# KiCad board main - copyOK.kicad_pcb (continued)
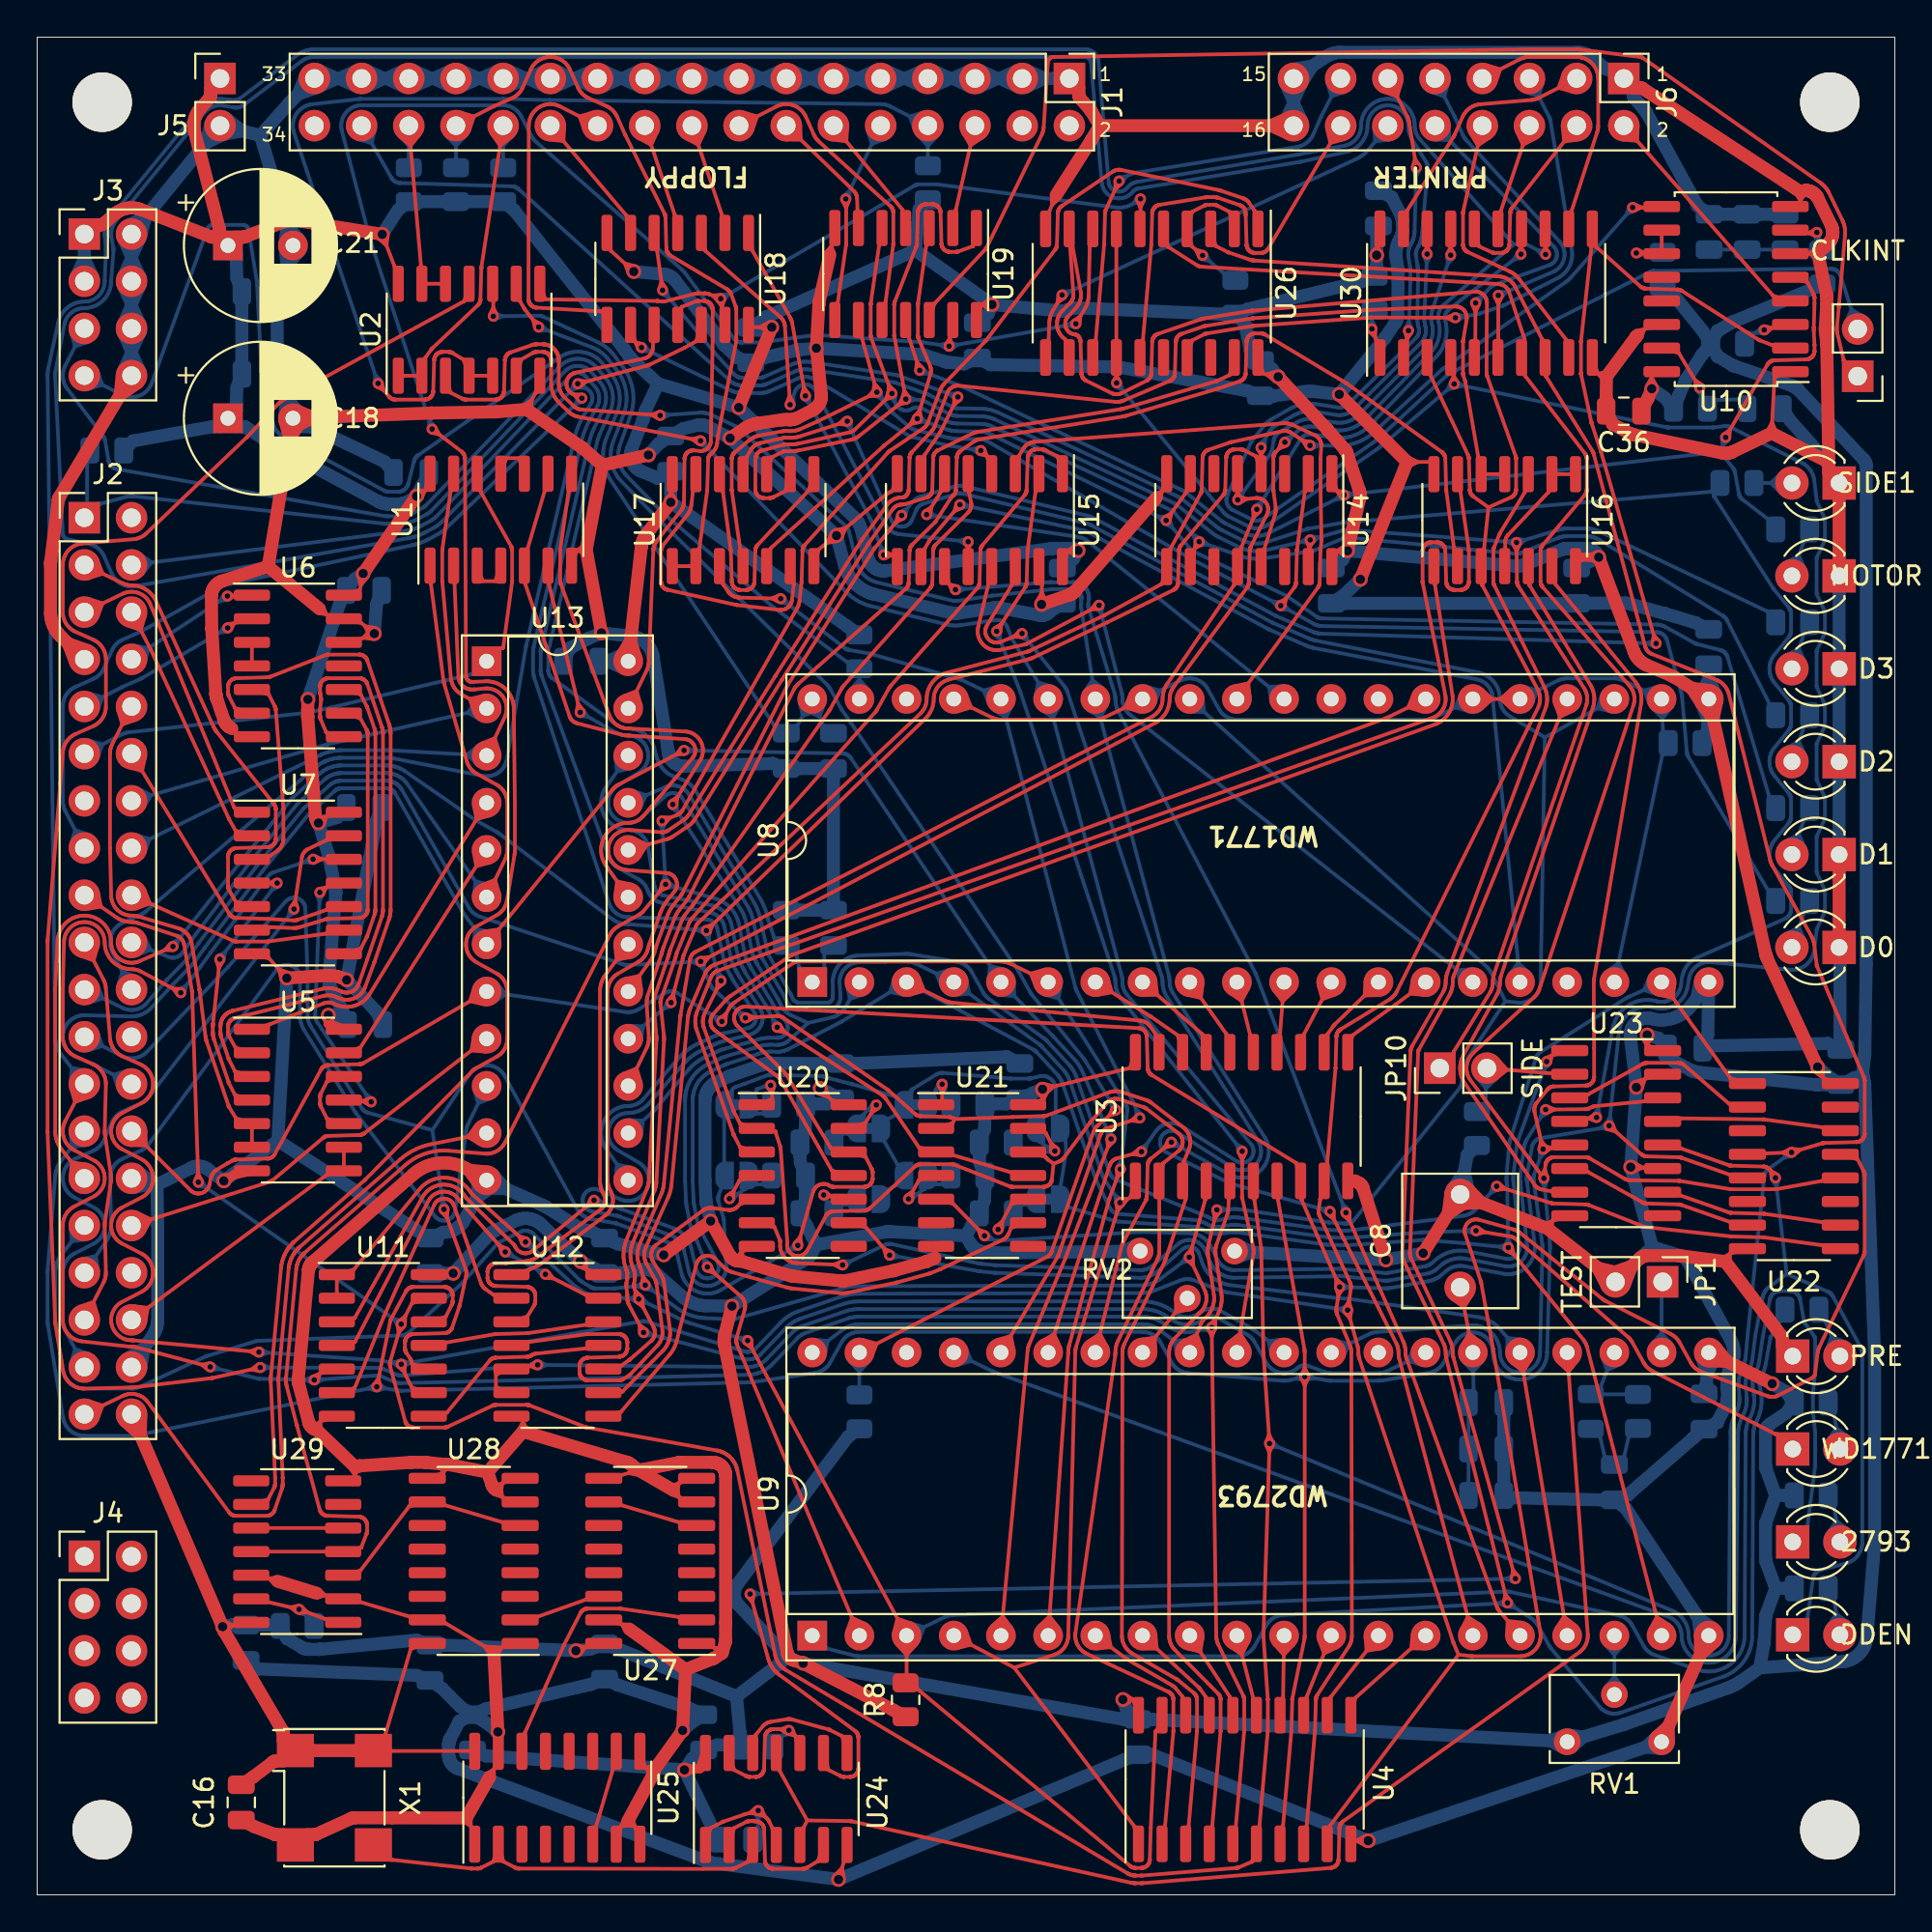
[diagram p0: board, top side]
## Routing (per net, layer and track width the routed paths; a pad name or vN(x,y) marks a point on that pad's centre or on a via; arc(x,y) is an arc through that point) (continued)
Net-(U15-Pad12): length 30.6
  Top w0.2: v2(40.53,80.21) 40.25,84.44 40.25,84.47 40.24,84.51 40.24,84.55 40.23,84.58 40.22,84.62 40.2,84.65 40.19,84.69 40.17,84.72 40.16,84.75 40.14,84.78 40.11,84.81 40.09,84.84 40.07,84.87 40.04,84.9 40.01,84.92 35.97,88.5 35.97,88.5 U18.3 ; U15.12 50.12,72.4 50.12,72.5 ; 40.71,80.31 40.5,80.69 40.34,80.29 ; 50.12,72.5 v2(50.12,72.84) ; 50.12,72.5 50.28,72.72 ; 50.12,72.5 49.96,72.72
  Bottom w0.2: 50.01,72.67 49.64,72.89 50.05,73.03 ; 40.73,80.23 40.7,80.66 40.39,80.36 ; v2(50.12,72.84) 46.42,73.24 46.37,73.25 46.31,73.26 46.26,73.28 46.21,73.29 46.15,73.31 46.1,73.33 46.05,73.36 46.01,73.39 45.96,73.42 45.91,73.45 45.87,73.48 45.83,73.52 45.79,73.56 45.75,73.6 45.72,73.65 45.69,73.69 45.66,73.74 45.63,73.79 41.9,80.97 41.88,81 41.86,81.04 41.84,81.07 41.81,81.09 41.79,81.12 41.76,81.15 41.73,81.17 41.7,81.19 41.67,81.21 41.64,81.23 41.61,81.25 41.57,81.26 41.54,81.27 41.5,81.28 41.46,81.29 41.43,81.3 41.39,81.3 41.35,81.3 41.32,81.3 41.28,81.3 41.24,81.29 41.21,81.28 41.17,81.27 41.14,81.26 41.1,81.25 41.07,81.23 41.04,81.21 41.01,81.19 40.98,81.17 40.95,81.14 40.92,81.12 40.9,81.09 40.87,81.06 40.85,81.03 40.83,81 40.81,80.97 40.8,80.94 40.78,80.9 v2(40.53,80.21)
Net-(U15-Pad13): length 44.1
  Top w0.2: v2(57.16,69.42) 53.3,67.36 53.28,67.35 53.26,67.34 53.24,67.33 53.22,67.33 53.2,67.32 53.19,67.31 53.16,67.31 53.14,67.3 51.87,67.02 51.81,67.01 51.75,67 51.69,67 51.63,67 51.57,67 51.51,67.01 51.45,67.02 51.39,67.03 51.33,67.05 51.27,67.07 51.22,67.09 51.16,67.12 51.11,67.15 51.06,67.19 51.01,67.22 50.96,67.26 50.92,67.3 50.88,67.35 50.84,67.4 50.81,67.44 50.77,67.5 50.74,67.55 50.72,67.6 50.69,67.66 50.67,67.72 50.66,67.78 50.65,67.83 50.64,67.89 50.63,67.96 50.63,68.02 50.63,68.08 50.64,68.14 50.64,68.2 50.66,68.26 51.2,70.51 U15.13 ; 57,69.54 56.74,69.19 57.18,69.22
  Bottom w0.2: 57.01,69.29 57.28,68.95 57.36,69.38 ; v2(57.16,69.42) 58.38,64.74 58.39,64.69 58.4,64.64 58.41,64.58 58.41,64.53 58.42,64.48 58.42,64.43 58.42,64.37 58.42,64.32 58.43,64.26 58.44,64.2 58.45,64.14 58.46,64.09 58.48,64.03 58.5,63.98 58.52,63.93 58.54,63.87 58.57,63.82 58.6,63.78 58.64,63.73 58.67,63.68 58.71,63.64 58.75,63.6 58.79,63.56 58.84,63.52 U8.15 ; 76.59,49.02 76.46,49.77 77.23,49.83
Net-(U15-Pad14): length 83.6
  Top w0.2: 73.33,28.82 73.32,28.87 73.31,28.93 73.3,28.98 73.29,29.03 73.29,29.09 73.28,29.14 73.28,29.19 73.28,29.25 73.28,29.3 73.27,29.35 73.26,29.39 73.25,29.44 73.24,29.49 73.23,29.54 73.21,29.59 73.19,29.63 73.17,29.68 v2(69.59,36.79) ; 69.79,36.8 69.81,36.36 69.47,36.64 ; 77.66,14.54 77.01,14.96 76.66,14.28 ; v2(53.01,67.9) 51.87,67.45 51.84,67.44 51.8,67.43 51.77,67.42 51.73,67.41 51.69,67.41 51.65,67.41 51.62,67.41 51.58,67.41 51.54,67.42 51.51,67.43 51.47,67.44 51.44,67.45 51.4,67.46 51.37,67.48 51.34,67.5 51.3,67.52 51.27,67.54 51.25,67.56 51.22,67.59 51.19,67.61 51.17,67.64 51.15,67.67 51.13,67.7 51.11,67.74 51.09,67.77 51.08,67.8 51.07,67.84 51.06,67.87 51.05,67.91 51.04,67.95 51.04,67.98 51.04,68.02 51.04,68.06 51.04,68.1 51.05,68.13 51.06,68.17 51.07,68.2 51.08,68.24 51.1,68.27 51.11,68.31 51.13,68.34 52.46,70.5 52.47,70.51 U15.14 ; 52.87,68.04 52.57,67.72 53,67.7 ; U9.15 73.33,28.82
  Bottom w0.2: v2(53.01,67.9) 55.29,65.07 55.31,65.03 55.34,65 55.36,64.96 55.39,64.92 55.41,64.89 55.43,64.85 55.44,64.81 55.46,64.76 55.48,64.72 60.53,49.47 60.54,49.43 60.55,49.39 60.56,49.35 60.57,49.31 60.57,49.26 60.58,49.22 60.58,49.18 60.58,49.13 60.58,49.07 60.59,49 60.6,48.93 60.61,48.86 60.62,48.79 60.64,48.73 60.66,48.66 60.68,48.6 60.71,48.53 60.74,48.47 60.77,48.41 60.81,48.35 65.73,40.57 65.76,40.52 65.79,40.46 65.81,40.4 65.84,40.35 65.85,40.29 65.87,40.22 65.88,40.16 65.88,40.1 65.89,40.04 65.89,39.98 65.88,39.91 65.87,39.85 65.86,39.79 65.84,39.73 65.82,39.67 65.8,39.61 65.77,39.56 65.74,39.5 65.71,39.45 65.67,39.4 65.63,39.35 65.59,39.3 65.54,39.26 65.49,39.22 65.44,39.18 65.39,39.15 65.34,39.12 65.28,39.09 65.22,39.07 65.16,39.05 65.1,39.03 65.04,39.02 64.98,39.01 64.92,39.01 64.85,39.01 64.79,39.01 64.73,39.02 64.67,39.03 64.6,39.04 64.54,39.06 64.49,39.08 64.43,39.11 64.37,39.13 64.32,39.17 61.38,41.03 61.35,41.05 61.32,41.07 61.28,41.09 61.24,41.1 61.21,41.11 61.17,41.12 61.13,41.12 61.1,41.13 61.06,41.13 61.02,41.13 60.98,41.12 60.94,41.12 60.91,41.11 60.87,41.1 60.83,41.09 60.8,41.07 60.76,41.06 60.73,41.04 60.7,41.02 60.67,40.99 60.64,40.97 60.61,40.94 60.59,40.91 60.56,40.88 60.54,40.85 60.52,40.82 60.51,40.78 60.49,40.75 60.48,40.71 60.47,40.68 60.46,40.64 60.45,40.6 60.45,40.56 60.44,40.53 60.45,40.49 60.45,40.45 60.45,40.41 60.46,40.37 60.47,40.34 60.49,40.3 60.5,40.27 60.52,40.23 60.54,40.2 60.56,40.17 60.58,40.14 60.6,40.11 60.63,40.08 60.66,40.05 60.69,40.03 60.72,40.01 60.75,39.99 60.79,39.97 64.06,38.37 64.11,38.35 64.16,38.33 64.21,38.31 64.26,38.29 64.32,38.27 64.37,38.25 v2(69.59,36.79) ; 69.46,36.64 69.13,36.92 69.56,36.99 ; 53.21,67.95 53.31,67.52 52.92,67.72
Net-(U16-Pad1): length 7.1
  Top w0.2: U16.1 U16.2 81.35,75.51 81.35,75.5 79.19,73.22 79.17,73.19 79.15,73.17 79.13,73.15 79.12,73.12 79.1,73.09 79.09,73.07 79.07,73.04 79.06,73.01 79.05,72.98 79.04,72.95 79.04,72.92 79.03,72.89 79.03,72.86 79.03,72.83 79.02,72.8 79.02,72.4 U16.11
Net-(U16-Pad6): length 72.4
  Top w0.2: 75.89,70.52 75.88,70.54 75.87,70.57 75.86,70.6 75.86,70.63 75.85,70.68 75.85,70.69 75.8,72.36 75.8,72.38 75.8,72.41 75.79,72.44 75.79,72.46 75.78,72.49 75.77,72.52 75.76,72.53 75.75,72.56 75.73,72.59 75.72,72.6 75.7,72.63 75.69,72.65 75.67,72.67 75.65,72.69 75.63,72.71 75.59,72.73 75.57,72.75 75.55,72.76 75.51,72.78 75.49,72.79 75.47,72.79 75.44,72.8 75.41,72.81 75.36,72.81 75.34,72.81 75.04,72.81 75.01,72.81 74.98,72.81 74.95,72.8 74.93,72.8 74.9,72.79 74.87,72.78 74.86,72.77 ; U16.6 76.62,75.5 77.07,72.42 77.07,72.4 77.07,72.36 77.07,72.35 77.07,70.7 77.07,70.67 77.07,70.64 77.06,70.61 77.06,70.59 77.05,70.56 77.04,70.53 77.03,70.52 77.02,70.49 77,70.46 76.99,70.45 76.97,70.42 76.96,70.4 76.94,70.38 76.92,70.36 76.9,70.34 76.89,70.33 76.86,70.31 76.83,70.3 76.82,70.29 76.78,70.27 76.76,70.26 76.74,70.26 76.71,70.25 76.68,70.24 76.66,70.24 76.62,70.24 76.61,70.24 76.31,70.24 76.28,70.24 76.25,70.24 76.22,70.25 76.2,70.25 76.17,70.26 76.14,70.27 76.13,70.28 76.1,70.29 76.07,70.31 76.06,70.32 76.03,70.33 ; U20.3 37.83,40.26 37.83,40.26 37.51,40.89 37.49,40.94 37.48,40.96 35.51,46.54 35.48,46.61 35.47,46.68 35.45,46.75 35.44,46.82 35.43,46.9 35.43,46.97 35.43,47.05 35.43,47.12 35.44,47.19 35.45,47.27 35.46,47.34 35.48,47.41 35.5,47.48 35.53,47.55 36.28,49.42 36.3,49.44 36.31,49.47 36.32,49.5 36.34,49.52 36.36,49.55 36.38,49.57 36.4,49.59 36.42,49.61 36.44,49.63 36.46,49.65 36.49,49.67 36.51,49.69 36.54,49.7 36.57,49.72 36.59,49.73 36.62,49.74 75.1,63.36 75.16,63.38 75.22,63.4 75.27,63.43 75.32,63.46 75.37,63.5 75.42,63.54 75.47,63.58 75.51,63.62 75.56,63.67 75.6,63.71 75.63,63.76 75.67,63.81 75.7,63.87 75.72,63.92 75.75,63.98 75.77,64.04 75.79,64.1 75.8,64.16 75.81,64.22 75.82,64.28 75.82,64.34 75.82,64.4 75.82,64.46 75.81,64.53 75.8,64.59 74.59,70.61 74.58,70.65 74.58,70.69 74.58,70.7 74.58,72.35 74.58,72.38 74.58,72.41 74.59,72.44 74.59,72.46 74.6,72.49 74.61,72.52 74.63,72.56 74.64,72.58 74.65,72.6 74.68,72.63 74.69,72.65 74.72,72.68 74.74,72.7 74.76,72.71 74.79,72.74 74.82,72.75 74.86,72.77 ; 75.89,70.52 75.9,70.48 75.92,70.46 75.94,70.42 75.96,70.4 75.98,70.38 76,70.36 76.02,70.34 76.03,70.33
Net-(U16-Pad8): length 63.1
  Top w0.2: U16.8 75.24,70.65 75.24,70.55 75.24,70.53 76.18,64.6 76.19,64.52 76.2,64.44 76.2,64.35 76.2,64.27 76.19,64.18 76.18,64.1 76.16,64.02 76.14,63.94 76.11,63.86 76.08,63.78 76.04,63.7 76,63.63 75.95,63.56 75.9,63.49 75.85,63.43 75.8,63.36 75.74,63.3 75.67,63.25 75.61,63.2 75.54,63.15 75.46,63.1 75.39,63.07 75.31,63.03 75.23,63 40.68,50.61 40.66,50.6 40.63,50.59 40.61,50.58 40.59,50.57 40.56,50.56 40.54,50.55 40.52,50.53 ; U20.11 42.78,38.99 42.78,38.99 40.02,43.88 40,43.9 39.99,43.92 39.97,43.94 39.96,43.96 39.94,43.98 39.92,44 39.9,44.02 39.89,44.04 39.87,44.06 39.84,44.07 36.5,46.52 36.47,46.54 36.44,46.57 36.42,46.59 36.39,46.62 36.37,46.64 36.35,46.67 36.33,46.7 36.31,46.73 36.3,46.76 36.29,46.8 36.27,46.83 36.26,46.86 36.26,46.9 36.25,46.93 36.25,46.97 36.25,47 36.25,47.04 36.25,47.07 36.25,47.11 36.26,47.14 36.27,47.18 36.28,47.21 36.29,47.24 36.3,47.27 36.32,47.31 36.34,47.34 36.36,47.37 36.38,47.39 36.4,47.42 37.06,48.16 37.1,48.2 37.13,48.23 37.17,48.27 37.21,48.3 37.25,48.33 37.29,48.36 37.33,48.39 40.52,50.53
Net-(U16-Pad12): length 38.8
  Top w0.2: U16.12 80.32,70.65 80.32,70.55 80.32,70.53 80.33,70.51 80.33,70.5 83.61,65.13 83.65,65.07 83.68,65 83.71,64.93 83.74,64.86 83.76,64.79 83.78,64.72 83.8,64.64 83.81,64.57 83.82,64.5 83.82,64.42 83.82,64.34 83.82,64.27 83.81,64.19 83.8,64.12 83.78,64.05 83.77,63.97 83.74,63.9 78.8,49.48 78.79,49.44 78.77,49.4 78.76,49.36 78.76,49.31 78.75,49.27 78.75,49.22 78.74,49.18 78.74,49.07 78.74,49 78.73,48.93 78.72,48.87 78.7,48.8 78.69,48.74 78.67,48.67 78.64,48.61 78.62,48.55 78.59,48.49 78.56,48.43 76.78,45.2 76.74,45.13 76.71,45.05 76.68,44.98 76.65,44.9 76.63,44.83 76.62,44.75 76.61,44.67 76.6,44.59 76.6,44.51 76.6,44.43 76.6,44.35 76.62,44.27 76.63,44.19 76.65,44.11 76.67,44.04 76.7,43.96 76.73,43.89 76.77,43.82 76.81,43.75 76.85,43.68 80.6,38.22 80.62,38.2 80.64,38.17 80.66,38.15 80.69,38.13 80.71,38.11 80.74,38.09 80.76,38.07 80.79,38.05 80.81,38.03 80.84,38.02 80.87,38.01 80.9,37.99 80.93,37.98 80.96,37.98 80.99,37.97 81.48,37.88 81.5,37.88 81.6,37.88 U23.7
Net-(U17-Pad3): length 64.9
  Top w0.2: U9.36 54.92,34.32 54.93,34.34 54.94,34.37 54.97,34.42 54.98,34.44 54.99,34.47 57.23,40.89 57.24,40.92 57.26,40.95 57.27,40.98 57.29,41.01 57.31,41.04 57.33,41.07 57.35,41.09 57.37,41.12 57.39,41.14 57.42,41.16 57.44,41.18 57.47,41.2 57.5,41.22 57.53,41.24 57.56,41.25 57.59,41.26 57.62,41.27 v2(59.36,41.82) ; 39.94,69.59 39.55,69.79 39.95,69.96 ; 59.33,41.63 58.9,41.68 59.22,41.97 ; 51.68,29.86 52.41,30.09 52.57,29.34 ; U17.3 36.92,70.56 36.92,70.55 37.19,70.16 37.21,70.13 37.24,70.1 37.26,70.07 37.28,70.05 37.31,70.03 37.33,70 37.36,69.98 37.39,69.96 37.42,69.94 37.45,69.93 37.48,69.91 37.51,69.9 37.53,69.89 37.55,69.88 37.57,69.88 37.59,69.87 37.64,69.86 37.66,69.85 37.68,69.85 37.7,69.84 37.72,69.84 37.74,69.84 37.8,69.83 37.83,69.83 v2(40.03,69.77)
  Bottom w0.2: 51.23,64.11 50.95,64.83 51.68,65.05 ; 52.5,64.05 52.14,63.37 51.5,63.79 ; 59.16,41.83 59.17,42.27 59.49,41.97 ; 40.2,69.87 40.41,69.48 39.98,69.58 ; v2(59.36,41.82) 59.01,42.65 58.99,42.68 58.98,42.71 55.97,48.63 55.96,48.66 55.94,48.69 55.93,48.73 55.92,48.76 55.91,48.79 55.9,48.82 55.89,48.86 U8.36 49.83,65.37 49.8,65.39 49.77,65.4 49.74,65.41 49.71,65.42 49.68,65.43 49.65,65.44 44.88,66.8 44.83,66.81 44.81,66.82 43.71,67.01 43.69,67.02 43.64,67.03 43.61,67.04 43.6,67.05 43.55,67.07 43.52,67.08 43.51,67.09 43.46,67.13 v2(40.03,69.77)
Net-(U17-Pad11): length 158.5
  Top w0.2: U9.32 62.66,30.76 62.67,30.79 62.68,30.81 62.69,30.84 62.71,30.86 62.72,30.88 62.74,30.91 62.75,30.93 62.77,30.95 62.79,30.97 62.81,30.99 62.83,31 62.84,31.02 62.9,31.07 62.96,31.12 63.01,31.18 63.06,31.24 63.1,31.3 63.14,31.36 63.18,31.43 63.22,31.5 63.25,31.57 63.27,31.64 63.3,31.72 63.32,31.79 63.33,31.86 63.34,31.94 63.35,32.02 63.35,32.09 63.35,32.17 63.35,32.25 63.34,32.32 63.03,34.45 63.02,34.51 63.02,34.57 63.02,34.63 63.02,34.69 63.02,34.75 63.02,34.81 63.03,34.87 63.04,34.93 63.05,34.99 v2(63.5,36.88) ; 62.7,29.44 62.42,30.16 61.73,29.82 ; 43.58,79.13 43.15,79.18 43.47,79.48 ; 63.66,36.75 63.39,36.41 63.31,36.84 ; U17.11 38.21,77.44 38.42,77.79 38.44,77.82 38.46,77.85 38.48,77.88 38.5,77.9 38.52,77.93 38.55,77.95 38.57,77.97 38.6,77.99 38.62,78.01 38.65,78.03 38.68,78.05 38.71,78.07 38.74,78.08 38.77,78.1 38.79,78.1 38.8,78.11 38.82,78.12 38.84,78.13 38.86,78.13 38.92,78.15 38.94,78.15 40.11,78.41 40.14,78.42 40.17,78.43 40.21,78.43 40.24,78.44 40.27,78.44 40.31,78.44 40.34,78.44 40.37,78.44 40.45,78.43 40.52,78.43 40.59,78.43 40.66,78.44 40.73,78.44 40.8,78.45 40.87,78.46 40.94,78.48 41.01,78.5 41.07,78.52 v2(43.61,79.33)
  Bottom w0.2: 81.16,62.31 79.26,63.45 79.21,63.48 79.17,63.51 79.12,63.55 79.08,63.59 79.04,63.63 79,63.68 78.96,63.72 78.93,63.77 78.9,63.82 78.87,63.87 78.84,63.92 78.82,63.97 78.8,64.03 78.78,64.09 78.77,64.14 78.76,64.2 78.75,64.26 78.74,64.32 78.74,64.46 78.73,64.54 78.72,64.62 78.7,64.71 78.68,64.79 78.66,64.87 78.63,64.94 78.59,65.02 78.55,65.1 78.51,65.17 78.46,65.24 78.41,65.3 78.35,65.37 78.3,65.43 78.23,65.48 78.17,65.53 78.1,65.58 78.03,65.63 77.96,65.67 77.88,65.71 77.8,65.74 77.72,65.77 77.64,65.79 77.56,65.81 68.85,67.51 68.81,67.52 68.77,67.53 68.7,67.55 68.67,67.56 68.63,67.57 68.6,67.58 68.56,67.59 68.53,67.61 68.49,67.62 66.54,68.46 66.51,68.47 66.48,68.49 66.46,68.5 56.76,73.71 56.71,73.74 56.66,73.76 56.61,73.79 56.55,73.81 56.5,73.82 56.45,73.84 56.39,73.85 49.82,75.43 49.79,75.43 49.76,75.44 49.73,75.44 49.7,75.44 49.67,75.45 49.64,75.44 49.62,75.44 49.59,75.44 49.56,75.43 49.53,75.43 49.5,75.42 47.71,74.88 47.68,74.87 47.65,74.86 47.62,74.85 47.59,74.84 47.56,74.82 47.54,74.8 47.51,74.78 47.49,74.76 47.46,74.74 47.44,74.72 47.42,74.7 47.4,74.67 47.38,74.65 47.36,74.62 47.35,74.6 47.33,74.57 47.32,74.54 47.1,74.02 47.08,73.98 47.06,73.95 47.04,73.92 47.02,73.89 47,73.86 46.97,73.83 46.95,73.81 46.92,73.78 46.89,73.76 46.86,73.74 46.83,73.72 46.79,73.7 46.76,73.69 46.72,73.68 46.69,73.67 46.65,73.66 46.61,73.65 46.58,73.65 46.54,73.65 46.5,73.65 46.47,73.65 46.43,73.66 46.39,73.66 46.36,73.67 46.32,73.69 46.29,73.7 46.25,73.72 46.22,73.74 46.19,73.76 46.16,73.78 46.13,73.8 46.1,73.83 46.08,73.85 46.05,73.88 46.03,73.91 46.01,73.94 45.99,73.98 45.98,74.01 v2(43.61,79.33) ; 81.16,62.31 80.93,49.12 80.93,49.05 80.92,48.98 80.91,48.92 80.9,48.86 80.88,48.79 80.86,48.73 80.83,48.67 80.8,48.61 80.77,48.55 80.73,48.5 80.69,48.45 80.65,48.4 80.61,48.35 80.56,48.3 80.51,48.26 80.45,48.22 80.4,48.19 80.34,48.15 80.28,48.12 80.22,48.1 80.16,48.08 80.1,48.06 80.03,48.04 79.97,48.03 79.9,48.03 79.84,48.02 79.77,48.03 79.71,48.03 79.04,48.1 ; 81.16,62.31 U8.23 ; 79.04,48.1 78.28,49.63 78.25,49.67 78.23,49.71 78.21,49.75 78.18,49.79 78.15,49.82 78.12,49.86 78.09,49.89 78.06,49.93 78.03,49.96 U8.32 ; 79.04,48.1 77.07,45.14 77.05,45.1 77.02,45.06 77,45.02 76.98,44.97 76.96,44.93 76.95,44.88 76.93,44.84 76.92,44.79 76.91,44.75 76.65,43.58 ; U9.32 60.41,30.41 60.35,30.46 60.29,30.5 60.22,30.53 60.16,30.57 60.09,30.6 60.02,30.63 59.95,30.65 59.87,30.67 59.8,30.69 59.73,30.7 59.65,30.71 59.58,30.71 59.5,30.72 44.26,30.72 44.19,30.71 44.11,30.71 44.04,30.7 43.96,30.69 43.89,30.67 43.82,30.65 43.75,30.63 43.68,30.6 43.61,30.57 43.54,30.53 43.48,30.5 43.41,30.46 43.35,30.41 U9.40 ; 84.74,63.69 83.99,63.87 84.24,64.6 ; 41.79,29.89 42.56,29.82 42.41,29.06 ; 43.81,79.33 43.8,78.89 43.48,79.18 ; 63.58,37.06 63.98,36.9 63.6,36.7 ; 62.05,63.67 62.81,63.68 62.74,64.44 ; 76.65,43.58 76.65,43.56 76.64,43.53 76.62,43.5 76.61,43.48 76.59,43.46 70.91,36.36 70.89,36.33 70.87,36.31 70.85,36.29 70.82,36.27 70.8,36.25 70.77,36.23 70.74,36.21 70.72,36.2 70.69,36.18 70.66,36.17 70.63,36.16 70.6,36.15 70.56,36.15 70.53,36.14 70.5,36.14 70.47,36.14 70.44,36.14 70.41,36.14 70.33,36.14 69.56,36.19 69.52,36.2 69.51,36.2 64.78,36.89 64.71,36.9 64.64,36.91 64.57,36.91 64.5,36.92 64.42,36.92 64.35,36.91 v2(63.5,36.88) ; 61.97,29.89 61.21,29.82 61.35,29.06
Net-(U17-Pad12): length 14.5
  Top w0.2: 37.58,70.33 37.6,70.31 37.63,70.3 37.64,70.29 37.68,70.27 37.7,70.26 37.72,70.26 37.75,70.25 37.78,70.24 37.8,70.24 37.84,70.24 37.85,70.24 38.15,70.24 38.18,70.24 38.21,70.24 38.24,70.25 38.26,70.25 38.29,70.26 38.32,70.27 38.33,70.28 38.36,70.29 38.39,70.31 38.4,70.32 38.43,70.34 38.45,70.35 38.47,70.37 38.49,70.39 38.51,70.41 38.52,70.42 38.54,70.45 38.55,70.48 38.56,70.49 38.58,70.53 38.59,70.55 38.59,70.57 38.6,70.6 38.61,70.63 38.61,70.65 38.61,70.69 38.66,72.36 38.66,72.4 38.67,72.43 38.67,72.46 38.68,72.49 38.69,72.52 38.71,72.56 38.72,72.58 38.73,72.6 38.76,72.64 38.78,72.66 41.52,75.58 41.52,75.59 U17.8 ; 37.57,70.33 37.55,70.35 37.53,70.37 37.51,70.39 37.49,70.41 37.47,70.44 37.46,70.46 37.44,70.5 37.43,70.52 37.42,70.54 37.41,70.58 37.4,70.63 37.4,70.68 37.39,70.79 37.34,72.36 37.34,72.38 37.34,72.42 36.92,75.5 36.92,75.51 U17.12
Net-(U17-Pad13): length 15.9
  Top w0.2: U17.13 35.3,75.5 35.22,74.83 35.21,74.78 35.2,74.73 35.19,74.68 35.17,74.63 35.16,74.58 35.14,74.53 35.12,74.48 35.09,74.44 35.07,74.39 35.04,74.35 35.01,74.3 34.98,74.26 33.68,72.64 33.66,72.61 33.65,72.59 33.63,72.57 33.61,72.52 33.6,72.5 33.6,72.48 33.59,72.45 33.58,72.42 33.58,72.37 33.58,72.35 33.58,70.7 33.58,70.67 33.58,70.64 33.59,70.61 33.59,70.59 33.6,70.56 33.61,70.53 33.63,70.49 33.64,70.47 33.66,70.45 33.68,70.42 33.69,70.4 33.71,70.38 33.73,70.36 33.75,70.34 33.76,70.33 33.79,70.31 33.82,70.3 33.83,70.29 33.87,70.27 33.89,70.26 33.91,70.26 33.95,70.25 37.58,69.45 37.6,69.44 37.63,69.44 37.65,69.44 37.67,69.43 37.69,69.43 39.96,69.17 39.99,69.17 40.03,69.16 40.06,69.17 40.1,69.17 40.13,69.17 40.17,69.18 40.2,69.19 40.24,69.2 40.27,69.21 40.3,69.23 40.33,69.25 40.36,69.27 40.39,69.29 40.42,69.31 40.44,69.33 40.47,69.36 40.49,69.38 40.52,69.41 40.54,69.44 40.55,69.47 40.57,69.5 40.59,69.53 40.6,69.57 40.61,69.6 40.62,69.63 40.63,69.67 40.63,69.7 40.73,70.54 40.73,70.56 U17.6
Net-(U20-Pad9): length 61.2
  Top w0.2: v2(45.89,34.43) 44.62,35.92 U20.9 ; U9.17 U9.25 ; 80.41,28.82 79.99,28.17 79.39,28.65 ; 45.97,34.61 45.58,34.8 45.7,34.38 ; 81.77,14.33 82.19,14.98 82.8,14.5
  Bottom w0.2: 45.94,34.24 46.36,34.35 46,34.6 ; U9.25 78.75,30.45 78.68,30.52 78.61,30.59 78.54,30.66 78.46,30.72 78.38,30.78 78.3,30.84 78.21,30.89 78.12,30.93 78.03,30.97 77.94,31.01 77.84,31.04 77.75,31.07 77.65,31.09 77.55,31.11 70.63,32.08 70.59,32.09 70.58,32.09 70.08,32.12 70.04,32.12 64.23,32.82 64.13,32.83 64.03,32.86 63.93,32.88 63.83,32.91 63.73,32.95 63.64,33 63.55,33.04 63.46,33.1 63.37,33.16 63.29,33.22 63.21,33.29 63.14,33.36 63.07,33.44 63,33.52 62.94,33.6 62.88,33.69 62.83,33.78 62.78,33.87 62.74,33.96 62.7,34.06 62.55,34.5 62.54,34.54 62.53,34.57 62.51,34.6 62.49,34.63 62.48,34.65 62.46,34.68 62.43,34.71 62.41,34.73 62.38,34.75 62.36,34.77 62.33,34.79 62.3,34.81 62.27,34.83 62.24,34.84 62.21,34.85 62.18,34.86 62.15,34.87 62.11,34.88 62.08,34.88 62.05,34.89 62.01,34.89 61.98,34.89 61.95,34.88 61.91,34.88 61.88,34.87 61.85,34.86 61.81,34.85 61.78,34.84 61.75,34.82 61.72,34.8 61.7,34.79 61.67,34.77 61.64,34.74 60.33,33.58 60.28,33.53 60.22,33.49 60.16,33.45 60.1,33.41 60.03,33.37 59.97,33.34 59.9,33.31 59.83,33.29 59.76,33.27 59.69,33.25 59.62,33.24 59.54,33.23 59.47,33.22 59.4,33.22 59.33,33.22 51.65,33.48 51.61,33.48 51.58,33.48 51.54,33.49 51.51,33.49 50.81,33.56 50.78,33.56 50.75,33.56 50.72,33.57 50.69,33.57 50.65,33.58 v2(45.89,34.43) ; 79.91,29.89 79.15,29.99 79.12,29.22
Net-(U21-Pad5): length 49
  Top w0.2: 51.07,35.66 50.66,35.82 50.81,35.41 ; 81.54,45.19 81.18,45.04 ; 81.54,45.19 v2(81.26,44.86) ; 81.54,45.19 81.45,44.81 ; 81.54,45.19 U23.1 ; v2(50.99,35.48) 49.32,37.19 U21.5
  Bottom w0.2: v2(81.26,44.86) 79.72,40.63 79.7,40.58 79.69,40.54 79.68,40.49 79.67,40.44 79.66,40.4 79.65,40.35 79.64,40.3 79.47,38.75 79.46,38.7 79.46,38.64 79.46,38.59 79.46,38.53 79.46,38.48 79.46,38.42 79.47,38.37 79.48,38.31 79.48,38.27 79.49,38.24 79.49,38.23 79.8,34.9 79.8,34.86 79.8,34.83 79.8,34.79 79.79,34.75 79.79,34.72 79.78,34.68 79.77,34.65 79.75,34.61 79.74,34.58 79.72,34.55 79.7,34.52 79.68,34.49 79.66,34.46 79.64,34.43 79.61,34.4 79.59,34.38 79.56,34.36 79.53,34.33 79.5,34.31 79.46,34.3 79.43,34.28 79.4,34.27 79.36,34.26 79.33,34.25 79.29,34.24 79.26,34.24 79.22,34.23 79.18,34.23 79.15,34.23 79.11,34.24 79.07,34.24 76.97,34.64 76.87,34.66 76.77,34.67 76.66,34.68 76.56,34.68 76.46,34.68 76.35,34.66 76.25,34.65 76.15,34.63 76.05,34.6 75.95,34.57 75.85,34.53 75.76,34.49 75.67,34.45 75.58,34.4 75.49,34.34 75.4,34.28 75.32,34.21 75.07,34 75.04,33.98 75.01,33.96 74.99,33.94 74.96,33.92 74.93,33.91 74.9,33.89 74.86,33.88 74.83,33.87 74.8,33.86 74.77,33.85 74.73,33.84 72.73,33.48 72.7,33.48 72.68,33.47 72.65,33.47 72.63,33.47 72.61,33.47 72.58,33.47 72.56,33.47 72.53,33.47 70.21,33.7 70.19,33.7 70.16,33.7 70.14,33.7 70.11,33.7 70.09,33.7 69.66,33.69 69.63,33.69 64.47,33.63 64.41,33.63 64.35,33.63 64.3,33.64 64.24,33.65 64.18,33.66 64.13,33.68 64.08,33.7 64.02,33.72 63.97,33.75 63.92,33.78 63.87,33.81 63.83,33.84 63.78,33.88 63.74,33.91 63.7,33.96 63.66,34 63.63,34.04 63.59,34.09 63.56,34.14 63.54,34.19 63.17,34.91 63.14,34.97 63.1,35.03 63.06,35.09 63.02,35.14 62.98,35.19 62.93,35.24 62.88,35.29 62.82,35.34 62.77,35.38 62.71,35.42 62.65,35.45 62.59,35.48 62.53,35.51 62.46,35.54 62.39,35.56 62.33,35.58 62.26,35.59 62.19,35.61 62.12,35.61 62.05,35.62 59.4,35.69 59.37,35.69 59.33,35.69 59.31,35.68 51.77,35.21 51.74,35.21 51.71,35.21 51.69,35.21 51.66,35.21 51.63,35.22 51.61,35.22 51.58,35.23 51.56,35.23 51.53,35.24 51.51,35.25 51.48,35.26 v2(50.99,35.48) ; 81.4,44.71 81.09,44.4 81.06,44.84 ; 51.14,35.61 51.43,35.28 51,35.28
Net-(U22-Pad2): length 10.8
  Top w0.2: 92.06,42.4 91.07,42.59 91.06,42.59 88.65,44.68 88.63,44.69 88.6,44.71 88.57,44.73 88.53,44.75 88.51,44.76 88.48,44.77 88.45,44.78 88.42,44.78 88.37,44.78 88.35,44.79 86.65,44.79 86.62,44.78 86.59,44.78 86.56,44.78 86.54,44.77 86.51,44.76 86.48,44.75 86.44,44.73 86.42,44.73 83.5,43.1 83.49,43.09 U23.3
Net-(U22-Pad7): length 10.2
  Top w0.2: U23.6 83.49,38.91 83.5,38.9 86.42,37.27 86.44,37.26 86.48,37.25 86.5,37.24 86.52,37.23 86.55,37.22 86.58,37.22 86.6,37.22 86.64,37.21 88.36,37.17 88.4,37.16 88.43,37.16 88.46,37.15 88.5,37.14 88.5,37.14 91.07,36.24 U22.7
Net-(U22-Pad10): length 9.8
  Top w0.2: U23.10 88.49,37.64 91.06,36.74 91.08,36.73 91.12,36.72 91.14,36.72 91.16,36.72 91.21,36.71 92.92,36.66 92.98,36.66 92.98,36.66 96.06,36.22 U22.10
Net-(U22-Pad14): length 9.6
  Top w0.2: U23.13 88.5,41.8 92.92,41.74 92.94,41.74 92.98,41.74 96.07,41.32 U22.14
Net-(U25-Pad14): length 14.5
  Top w0.2: U27.2 34.5,14.96 31.42,15.41 31.37,15.41 31.35,15.41 29.65,15.41 29.62,15.41 29.59,15.41 29.56,15.4 29.54,15.4 29.51,15.39 29.48,15.38 29.44,15.36 29.42,15.35 29.4,15.34 29.37,15.31 29.35,15.3 29.32,15.28 29.3,15.25 29.29,15.23 29.26,15.2 29.25,15.18 29.24,15.17 28.37,13.47 28.35,13.43 26.26,8.73 26.26,8.73 U25.14

## Text on the board
B.SilkS: WC80 TRS-80 FLOPPY Rev3
F.SilkS: 33 | 34 | 1 | 2 | 15 | 16 | FLOPPY | WD1771 | WD2793 | PRINTER
